# KiCad board BMS-Master.kicad_pcb (continued)
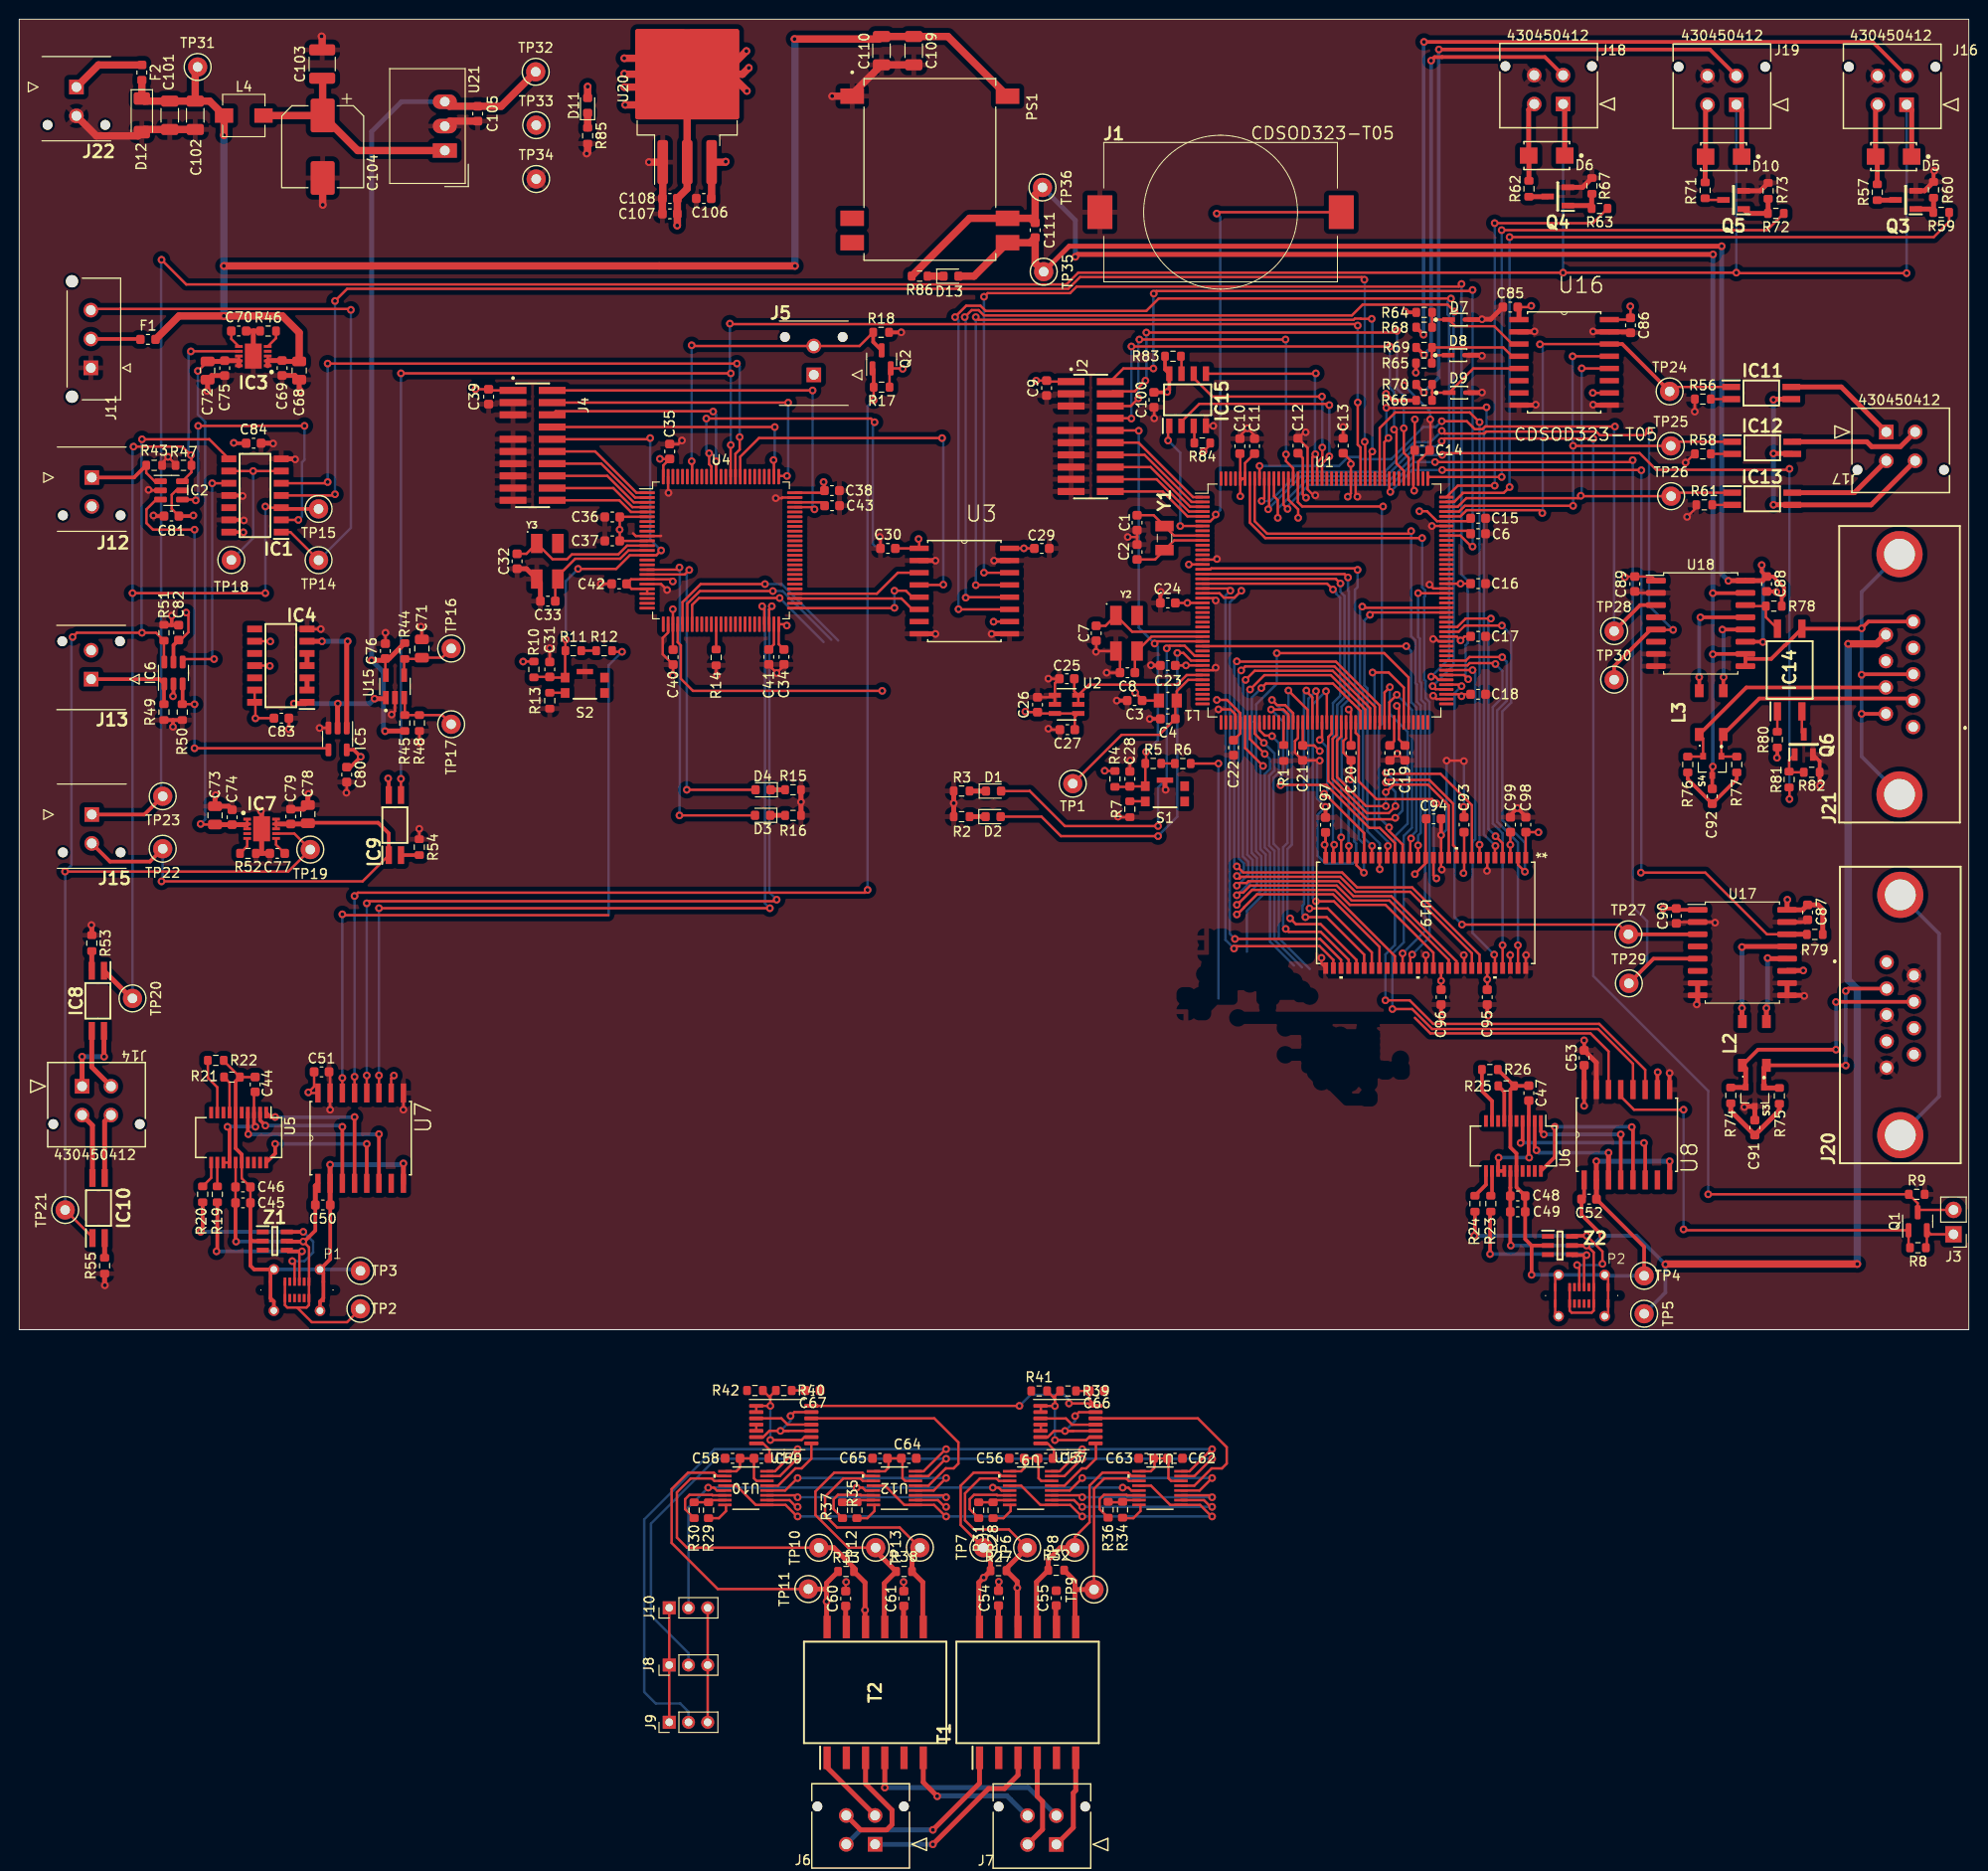
[diagram p0: board, top side]
## Nets (continued)
/MCU0_Memory/MCU0_RAM.SDCKE1: U1.84 U19.37
/MCU0_Memory/MCU0_RAM.SDCLK: U1.112 U19.38
/MCU0_Memory/MCU0_RAM.SDNCAS: U1.160 U19.17
/MCU0_Memory/MCU0_RAM.SDNE1: U1.83 U19.19
/MCU0_Memory/MCU0_RAM.SDNRAS: U1.59 U19.18
/MCU0_Memory/MCU0_RAM.SDNWE: U1.32 U19.16
/MCU0_primary/FTDI_MCU0.DTR: Q1.1 R8.2 U8.13
/MCU0_primary/FTDI_MCU0.RTS: R6.2 U8.14
/MCU0_primary/FTDI_MCU0.RX: U1.80 U8.12
/MCU0_primary/FTDI_MCU0.TX: U1.79 U8.11
/MCU0_primary/isoSPI0.CS: U1.50 U13.4 U13.5
/MCU0_primary/isoSPI0.DIR: R41.1 U1.162
/MCU0_primary/isoSPI0.MISO: U1.52 U9.3 U11.3
/MCU0_primary/isoSPI0.MOSI: U1.53 U9.2 U11.2
/MCU0_primary/isoSPI0.SCK: U1.51 U9.4 U11.4
/MCU0_primary/MCU0_ADC_REF/VREF+_MCU0: C25.1 U1.38 U2.5 U2.6
/MCU0_primary/MCU0_BOOT: J3.2 Q1.3 R9.1 U1.166
/MCU0_primary/MCU0_NRST: C28.1 J2.10 R4.2 R5.1 S1.1 U1.31
/MCU0_primary/MCU0_SWCLK: J2.04 U1.137
/MCU0_primary/MCU0_SWDIO: J2.02 U1.124
/MCU0_primary/MCU0_SWO: J2.06 U1.161
/MCU0_primary/MCU0_TDI: J2.08 U1.138
/MCU0_primary/MCU0_TRACECLK: J2.12 U1.1
/MCU0_primary/MCU0_TRACED0: J2.14 U1.2
/MCU0_primary/MCU0_TRACED1: J2.16 U1.3
/MCU0_primary/MCU0_TRACED2: J2.18 U1.4
/MCU0_primary/MCU0_TRACED3: J2.20 U1.5
/MCU0_primary/MCU_to_MCU_INTERFACE_MCU0.CS: U1.92 U3.12
/MCU0_primary/MCU_to_MCU_INTERFACE_MCU0.MISO: U1.94 U3.11
/MCU0_primary/MCU_to_MCU_INTERFACE_MCU0.MOSI: U1.95 U3.14
/MCU0_primary/MCU_to_MCU_INTERFACE_MCU0.SCK: U1.145 U3.13
/MCU0_primary/SHUTDOWN_ctrl_MCU0: IC1.4 U1.146
/MCU0_primary/SHUTDOWN_feedback_MCU0: IC9.3 U1.147 U4.86
/MCU1_secondary/FTDI_MCU1.DTR: Q2.1 R17.2 U7.13
/MCU1_secondary/FTDI_MCU1.RTS: R12.2 U7.14
/MCU1_secondary/FTDI_MCU1.RX: U4.48 U7.12
/MCU1_secondary/FTDI_MCU1.TX: U4.47 U7.11
/MCU1_secondary/isoSPI1.CS: U4.29 U14.4 U14.5
/MCU1_secondary/isoSPI1.DIR: R42.1 U4.90
/MCU1_secondary/isoSPI1.MISO: U4.31 U10.3 U12.3
/MCU1_secondary/isoSPI1.MOSI: U4.32 U10.2 U12.2
/MCU1_secondary/isoSPI1.SCK: U4.30 U10.4 U12.4
/MCU1_secondary/MCU1_BOOT: J5.2 Q2.3 R18.1 U4.94
/MCU1_secondary/MCU1_NRST: C31.1 J4.10 R10.2 R11.1 S2.1 U4.14
/MCU1_secondary/MCU1_SWCLK: J4.04 U4.76
/MCU1_secondary/MCU1_SWDIO: J4.02 U4.72
/MCU1_secondary/MCU1_SWO: J4.06 U4.89
/MCU1_secondary/MCU1_TDI: J4.08 U4.77
/MCU1_secondary/MCU1_TRACECLK: J4.12 U4.1
/MCU1_secondary/MCU1_TRACED0: J4.14 U4.2
/MCU1_secondary/MCU1_TRACED1: J4.16 U4.3
/MCU1_secondary/MCU1_TRACED2: J4.18 U4.4
/MCU1_secondary/MCU1_TRACED3: J4.20 U4.5
/MCU1_secondary/MCU_to_MCU_INTERFACE_MCU1.CS: U3.5 U4.51
/MCU1_secondary/MCU_to_MCU_INTERFACE_MCU1.MISO: U3.6 U4.53
/MCU1_secondary/MCU_to_MCU_INTERFACE_MCU1.MOSI: U3.3 U4.54
/MCU1_secondary/MCU_to_MCU_INTERFACE_MCU1.SCK: U3.4 U4.84
/MCU1_secondary/SHUTDOWN_ctrl_MCU0: IC1.5 U4.85
/Shutdown/AMS_SHTDW: IC1.3 IC2.6 IC3.7 IC8.1 R47.2 TP15.1 TP20.1
/Shutdown/Bender_OK_EXT: IC1.1 J11.3 TP14.1
/Shutdown/IMD_SHTDW: IC1.8 IC6.6 IC7.7 IC10.1 R51.2 TP19.1 TP21.1
/USB_interface/D0+: P2.A6 R24.1 Z2.6
/USB_interface/D0-: P2.A7 R23.1 Z2.4
/USB_interface/D1+: P1.A6 R20.1 Z1.6
/USB_interface/D1-: P1.A7 R19.1 Z1.4
/USB_interface/USB_MCU0.DTR: U6.1 U8.4
/USB_interface/USB_MCU0.RTS: U6.2 U8.3
/USB_interface/USB_MCU0.RX: U6.4 U8.6
/USB_interface/USB_MCU0.TX: U6.20 U8.5
/USB_interface/USB_MCU1.DTR: U5.1 U7.4
/USB_interface/USB_MCU1.RTS: U5.2 U7.3
/USB_interface/USB_MCU1.RX: U5.4 U7.6
/USB_interface/USB_MCU1.TX: U5.20 U7.5
SUPPLY: C68.1 C69.1 C101.1 C102.1 C109.1 C110.1 D12.1 F1.2 F2.2 IC3.1 IC3.2 IC3.3 L4.1 PS1.14 TP31.1
USB0_GND: C47.2 C48.2 C49.2 C52.1 P2.A1 P2.A12 P2.B1 P2.B12 P2.S1 R25.2 R26.2 TP4.1 U6.6 U6.16 U8.2 U8.8 Z2.2
USB1_GND: C44.2 C45.2 C46.2 C50.1 P1.A1 P1.A12 P1.B1 P1.B12 P1.S1 R21.2 R22.2 TP3.1 U5.6 U5.16 U7.2 U7.8 Z1.2
USB1_VCC: C45.1 C46.1 C50.2 P1.A4 P1.A9 P1.B4 P1.B9 TP2.1 U5.15 U7.1 Z1.5
USB_VCC: C48.1 C49.1 C52.2 J21.9 P2.A4 P2.A9 P2.B4 P2.B9 TP5.1 U6.15 U8.1 Z2.5
Net-(C71-Pad1): C71.1 R44.2 TP16.1 U15.4
Net-(C91-Pad1): C91.1 R74.2 R75.2
Net-(C92-Pad1): C92.1 R76.2 R77.2
Net-(D1-A): D1.2 U1.34
Net-(D1-K): D1.1 R3.1
Net-(D2-A): D2.2 U1.35
Net-(D2-K): D2.1 R2.1
Net-(D3-A): D3.2 U4.17
Net-(D3-K): D3.1 R16.1
Net-(D4-A): D4.2 U4.18
Net-(D4-K): D4.1 R15.1
Net-(D11-K): D11.1 R85.1
Net-(D13-K): D13.1 R86.1
Net-(F1-Pad1): F1.1 J11.2
Net-(F2-Pad1): F2.1 J22.1
Net-(IC1-Pad2): IC1.2 IC2.4
Net-(IC1-Pad6): IC1.6 IC1.9 TP18.1
Net-(IC1-Pad10): IC1.10 IC6.4
Net-(IC2-Pad1): IC2.1 J12.1 R43.2
Net-(IC2-Pad3): IC2.3 IC5.4 IC6.3 R50.2
Net-(IC3-ILIM): IC3.5 R46.1
Net-(IC3-OUT_1): C72.1 C73.1 C74.1 C75.1 IC3.8 IC3.9 IC3.10 IC7.1 IC7.2 IC7.3
Net-(IC3-SS): C70.1 IC3.6
Net-(IC4-Pad1): IC4.1 IC5.2 U15.1
Net-(IC4-Pad2): IC4.2 IC4.3
Net-(IC4-Pad4): IC4.4 IC4.5
Net-(IC4-Pad6): IC4.6 IC5.1
Net-(IC6-Pad1): IC6.1 J13.1 R49.2
Net-(IC7-ILIM): IC7.5 R52.1
Net-(IC7-OUT_1): C78.1 C79.1 IC7.8 IC7.9 IC7.10 IC9.1 J15.2 TP22.1
Net-(IC7-SS): C77.1 IC7.6
Net-(IC8-C): IC8.4 J14.1
Net-(IC8-E): IC8.3 J14.2
Net-(IC8-K): IC8.2 R53.2
Net-(IC9-K): IC9.2 R54.2
Net-(IC10-C): IC10.4 J14.3
Net-(IC10-E): IC10.3 J14.4
Net-(IC10-K): IC10.2 R55.2
Net-(IC11-C): IC11.4 J17.1
Net-(IC11-E): IC11.3 IC12.3 IC13.3 J17.4
Net-(IC11-K): IC11.2 R56.2
Net-(IC12-C): IC12.4 J17.2
Net-(IC12-K): IC12.2 R58.2
Net-(IC13-C): IC13.4 J17.3
Net-(IC13-K): IC13.2 R61.2
Net-(IC14-A): IC14.1 R80.2
Net-(IC14-D2): IC14.4 R78.2 U18.14
Net-(IC14-K): IC14.2 Q6.3
Net-(IC15-~{HOLD}): IC15.7 R83.2
Net-(IC15-~{W}): IC15.3 R84.2
Net-(J1-+): J1.1 U1.6
Net-(Q3-D): Q3.3 R57.2
Net-(Q3-G): Q3.1 R59.2 R60.1
Net-(Q4-D): Q4.3 R62.2
Net-(Q4-G): Q4.1 R63.2 R67.1
Net-(Q5-D): Q5.3 R71.2
Net-(Q5-G): Q5.1 R72.2 R73.1
Net-(Q6-G): Q6.1 R81.1 R82.1
Net-(R5-Pad2): R5.2 R6.1
Net-(R7-Pad1): R7.1 S1.2
Net-(R11-Pad2): R11.2 R12.1
Net-(R13-Pad1): R13.1 S2.2
Net-(R39-Pad2): R39.2 R41.2 U13.1 U13.2 U13.9
Net-(R40-Pad2): R40.2 R42.2 U14.1 U14.2 U14.9
Net-(R45-Pad2): R45.2 R48.1 TP17.1 U15.3
Net-(T1-PRI_1): J6.2 T1.1
Net-(T1-PRI_3): J6.1 T1.3
Net-(T1-PRI_4): J7.2 T1.4
Net-(T1-PRI_6): J7.1 T1.6
Net-(T1-SEC_2): C55.2 T1.8
Net-(T1-SEC_5): C54.2 T1.11
Net-(T2-PRI_1): J6.3 T2.1
Net-(T2-PRI_3): J6.4 T2.3
Net-(T2-PRI_4): J7.3 T2.4
Net-(T2-PRI_6): J7.4 T2.6
Net-(T2-SEC_2): C61.2 T2.8
Net-(T2-SEC_5): C60.2 T2.11
Net-(U1-PB2): R1.2 U1.58
Net-(U1-PC14): C1.1 U1.9 Y1.1
Net-(U1-PC15): C2.1 U1.10 Y1.2
Net-(U1-PH0): C7.1 U1.29 Y2.1
Net-(U1-PH1): C8.1 U1.30 Y2.3
Net-(U1-VCAP_1): C5.1 U1.81
Net-(U1-VCAP_2): C6.1 U1.125
Net-(U1-VDDA): C4.1 L1.1 TP1.1 U1.39
Net-(U4-PB2): R14.1 U4.37
Net-(U4-PH0): C32.1 U4.12 Y3.1
Net-(U4-PH1): C33.1 U4.13 Y3.3
Net-(U4-VCAP_1): C41.1 U4.49
Net-(U4-VCAP_2): C43.1 U4.73
Net-(U5-3V3OUT): C44.1 U5.3 U5.13 U5.14
Net-(U5-USBDM): R19.2 U5.12
Net-(U5-USBDP): R20.2 U5.11
Net-(U5-~{CTS}): R22.1 U5.9
Net-(U5-~{DSR}): R21.1 U5.7
Net-(U6-3V3OUT): C47.1 U6.3 U6.13 U6.14
Net-(U6-USBDM): R23.2 U6.12
Net-(U6-USBDP): R24.2 U6.11
Net-(U6-~{CTS}): R26.1 U6.9
Net-(U6-~{DSR}): R25.1 U6.7
Net-(U9-IBIAS): R28.1 U9.16
Net-(U9-ICMP): R28.2 R31.2 U9.15
Net-(U9-VDD): C56.1 C57.1 U9.6 U9.9
Net-(U10-IBIAS): R29.1 U10.16
Net-(U10-ICMP): R29.2 R30.2 U10.15
Net-(U10-VDD): C58.1 C59.1 U10.6 U10.9
Net-(U11-IBIAS): R34.1 U11.16
Net-(U11-ICMP): R34.2 R36.2 U11.15
Net-(U11-VDD): C62.1 C63.1 U11.6 U11.9
Net-(U12-IBIAS): R35.1 U12.16
Net-(U12-ICMP): R35.2 R37.2 U12.15
Net-(U12-VDD): C64.1 C65.1 U12.6 U12.9
Net-(U13-Pad10): U13.6 U13.10 U13.13
Net-(U13-Pad11): U13.3 U13.11
Net-(U14-Pad10): U14.6 U14.10 U14.13
Net-(U14-Pad11): U14.3 U14.11
Net-(U16-VIA): D7.1 R64.2 R68.2 U16.3
Net-(U16-VIB): D8.1 R65.2 R69.2 U16.4
Net-(U16-VIC): D9.1 R66.2 R70.2 U16.5
Net-(U17-CANH): L2.4 U17.13
Net-(U17-CANL): L2.3 U17.12
Net-(U18-CANH): L3.4 U18.13
Net-(U18-CANL): L3.3 U18.12
Net-(U21-Vin): C103.1 C104.1 L4.2 U21.1

Pads without a net: IC1 12; IC3 4; IC4 8 10 12; IC7 4; J20 0 1 4 8; J21 1 4 8; P1 A5 A8 B5 B6 B7 B8; P2 A5 A8 B5 B6 B7 B8; PS1 6 7; S1 3 4; S2 3 4; T1 2 5; T2 2 5; U1 8 11 12 13 24 25 26 27 28 33 40 41 42 43 44 45 46 47 54 55 56 57 85 86 87 88 89 99 100 101 106 107 110 111 115 116 117 118 119 120 121 122 123 134 139 140 144 150 151 152 153 154 164 173 174 175 176; U3 7; U4 7 8 9 15 16 23 24 25 26 33 34 35 36 38 39 40 41 42 43 44 45 46 52 55 56 57 58 59 60 61 62 63 64 65 66 67 68 69 70 71 78 79 80 81 82 83 87 88 91 92 93 95 96 97 98; U5 5 8 10 17 18 19; U6 5 8 10 17 18 19; U7 7; U8 7; U16 6 7 11; U17 4 6; U18 4 6; U19 36 40; Y2 4; Y3 4; Z1 1 3; Z2 1 3

## Via types
v1: diameter 0.8, hole 0.4, Top to Bottom, 595 vias

## Routing (per net, layer and track width the routed paths; a pad name or vN(x,y) marks a point on that pad's centre or on a via; arc(x,y) is an arc through that point)
+3.3V: length 403.8
  Top w0.25: U1.136 144.95,87.33 v1(145.03,87.25) ; C17.1 150.28,72.1 v1(149.86,71.68) ; v1(138.45,90.03) 138.45,90.35 C13.1 ; 149.91,84.08 150.6,84.08 C15.1 ; U3.1 93.57,82.16 v1(93.5,82.23) ; U3.16 v1(104.46,81.26) ; v1(149.95,65.88) 150.16,66.08 C18.1 ; IC4.13 IC4.14 24.56,65.17 v1(24.56,63.58) 24.58,63.6 C83.1 ; v1(17.36,74.58) 17.59,74.34 17.59,74.31 ; IC4.9 26.08,71.6 v1(26.11,71.58) ; v1(149.86,77.58) 149.86,77.58 C16.1 ; U7.16 30.12,24.61 v1(30.06,24.68) 30.66,25.28 C51.2 ; v1(26.06,69.03) 26.02,69.06 IC4.11 ; v1(38.96,26.43) 38.67,26.14 U7.10 ; U1.72 138.45,64.27 v1(138.22,64.49) ; v1(143.23,64.88) 143.45,64.65 U1.82
  Top w0.254: v1(150.16,47.48) 150.23,47.55 U19.9 150.23,51.73 C93.1 ; v1(138.45,90.03) U1.149 138.45,86.95 v1(138.13,86.63) ; C12.1 133.45,90.66 U1.159 133.45,86.86 v1(133.79,86.52) ; U1.172 126.95,91.07 C10.1 ; U1.172 127.19,88.51 126.95,88.27 126.95,86.68 v1(126.96,86.68) ; U1.172 U1.171 127.45,90.12 C11.1 ; v1(110.52,-19.43) 110.47,-19.43 109.27,-18.23 106.17,-18.23 104.17,-16.23 102.96,-16.23 ; C24.1 121.45,75.58 v1(121.46,75.58) U1.23 ; v1(135.21,60.18) 134.63,60.76 C21.1 133.45,60.77 U1.62 ; U1.15 121.61,79.58 v1(121.61,79.58) ; v1(163.61,97.43) 163.61,97.42 U16.10 ; R17.1 90.49,99.85 Q2.2 91.81,99.97 v1(91.86,99.93) ; v1(123.13,91.33) 123.83,92.02 R84.1 ; v1(47.44,97.8) C39.1 48.92,97.68 J4.01 ; U19.43 147.83,37.6 v1(147.83,36.28) C96.1 ; v1(104.46,81.26) 105.53,81.26 C29.2 ; L1.2 C3.1 116.75,65.52 v1(116.02,66.24) ; v1(66.61,90.56) 66.63,90.55 C35.1 66.96,89.88 U4.100 ; IC2.5 16.31,87.28 15.86,86.83 15.86,85.36 C81.1 ; v1(80.93,-19.43) 80.88,-19.43 79.68,-18.23 U10.1 76.58,-18.23 74.58,-16.23 U10.12 ; 149.91,84.08 U1.127 147.4,84.08 146.37,85.11 v1(145.57,85.11) ; v1(96.37,-19.43) 96.32,-19.43 95.12,-18.23 92.02,-18.23 90.02,-16.23 88.81,-16.23 ; U19.1 156.63,51.73 C98.1 157.94,51.74 v1(157.96,51.73) ; C22.1 126.95,62 U1.49 126.95,64.12 125.58,65.49 v1(124.51,65.49) ; U1.91 149.75,66.08 v1(149.95,65.88) ; v1(79.81,73.23) 79.67,73.36 U4.50 78.96,71.28 C34.1 ; C82.1 16.78,71.72 17.59,72.53 17.59,74.31 ; v1(109.14,-7.68) 111.66,-7.68 U13.14 111.27,-7.29 C66.1 R39.1 ; v1(145.11,94.66) 145.09,94.65 C14.1 144.95,91.32 U1.136 ; 146.25,53.1 146.23,53.07 U19.14 146.23,48.5 v1(145.11,47.38) ; R4.1 112.88,58.1 v1(112.86,58.13) ; v1(103.99,-7.93) 104.04,-7.93 U14.14 ; C40.1 67.96,70.74 U4.28 67.96,74.92 v1(67.96,74.93) ; C30.2 93.56,81.25 U3.1 ; C23.1 121.3,69.08 v1(121.31,69.08) U1.36 ; U19.27 135.83,51.7 C97.1 135.82,50.52 v1(135.72,50.43) ; U19.3 v1(155.03,50.43) 155.03,51.73 C99.1 ; v1(67.96,77.81) 67.73,78.04 63.62,78.04 63.14,77.56 63.67,77.04 65.29,77.04 65.29,76.54 ; U19.49 v1(152.63,36.43) ; v1(152.63,36.43) C95.1 v1(152.63,36.43) ; 65.29,84.54 62.46,84.54 C36.1 62.44,83.21 v1(62.42,83.2) 62.44,83.19 C37.1 65.28,82.03 65.29,82.04 ; v1(149.86,71.68) 149.45,72.08 U1.103 ; v1(166.94,78.25) 167.02,78.32 C89.2 169.75,78.32 U18.1 ; v1(101.31,73.63) 101.32,73.64 U3.10 ; R10.1 52.4,69.49 v1(52.39,69.48) ; v1(83.63,88.15) 83.72,88.06 C38.1 83.5,87.04 U4.75 ; v1(105.73,98.69) 105.74,98.7 C9.1 106.92,98.6 109.37,98.6 ; 67.58,-40.93 J10.1 ; C20.1 138.45,60.78 U1.72 ; U16.16 167.35,105.04 C86.2 167.53,106.4 v1(167.5,106.43) ; R40.1 C67.1 ; v1(124.02,-19.43) 123.97,-19.43 122.77,-18.23 119.67,-18.23 117.67,-16.23 116.46,-16.23 ; C19.1 143.45,61.38 U1.82 ; C27.1 109.75,63.71 U2.4 U2.3 106.01,64.08 C26.1 104.66,64.22 v1(104.61,64.28) ; J3.1 198.76,9.91 Q1.2 198.34,8.62 R8.1 ; U1.114 v1(149.86,77.58)
  Top w0.381: C81.1 18.04,84.61 v1(18.11,84.68) ; IC6.5 16.04,71.18 C82.1 ; v1(170.91,43.78) 170.93,43.8 C90.2 172.43,43.66 U17.1 ; v1(22.31,92.23) 22.34,92.19 C84.1 ; v1(162.71,23.28) 162.7,23.28 U8.16 ; IC9.4 38.42,57.26 v1(38.36,57.33) ; IC1.14 23.29,82.94 v1(23.31,82.93) ; C100.1 119.31,97.48 v1(119.36,97.53) 119.57,97.74 IC15.8 119.13,99.86 R83.1 ; U8.10 170.32,26.74 v1(170.36,26.78) ; IC5.5 34.78,60.3 v1(35.51,59.58) 34.43,58.5 C80.1
  Top w0.508: C53.2 162.7,27.49 U8.16
  Top w0.762: v1(63,127.38) 65.91,127.38 U20.2 65.59,129.23 v1(62.91,129.23) ; v1(75.66,128.83) 73.91,130.57 U20.2 ; v1(59.11,129.28) 59.1,129.27 D11.2 ; U20.2 62.96,130.57 v1(62.91,130.63) ; U20.2 73.2,130.57 v1(75.61,132.98) ; U20.2 75.2,130.57 v1(75.86,131.23) ; U20.2 67.79,132.23 v1(62.91,132.23) ; U20.2 U20.2 69.45,118.67 68.42,117.64 68.42,114.84 v1(68.41,114.83)
  Bottom w0.254: v1(124.02,-19.43) v1(80.93,-19.43) ; v1(103.99,-7.93) 105.14,-6.78 108.64,-6.78 109.14,-7.28 v1(109.14,-7.68)
+5V: length 115.2
  Top w0.254: v1(157.21,106.48) 157.08,106.35 C85.2 ; U15.5 38.07,68.11 C76.1
  Top w0.381: v1(145.21,99.53) 145.22,99.54 R65.1 ; v1(182.75,59.48) 182.79,59.51 R80.1 ; R66.1 142.78,96.65 v1(142.11,97.33) ; R64.1 144.18,105.8 v1(144.11,105.87)
  Top w0.508: U16.1 155.93,106.22 C85.2 ; v1(38.04,62.24) 38.06,62.26 R45.1 ; v1(183.83,44.72) 183.81,44.69 U17.16 185.42,43.66 C87.2 187.04,44.18 187.51,43.71 R79.2 ; v1(185.49,37.35) 183.85,37.35 U17.11 ; R44.1 38.48,69.8 C76.1 37.88,69.61 v1(36.64,69.61)
  Top w0.762: TP32.1 50.11,127.23 C105.1 44.72,127.23 U21.3 ; v1(73.46,121.48) 73.4,121.42 U20.3 71.99,117.68 C106.1
  Bottom w0.508: v1(38.04,62.24) 37.86,62.42 37.86,68.39 v1(36.64,69.61) 36.64,124.6 39.75,127.71 U21.3
+5V_ISO: length 140
  Top w0.381: v1(181.29,71.51) 181.26,71.54 U18.11 ; R78.1 183.25,76.16 183.48,76.39 183.48,77.2 182.36,78.32 C88.2 181.17,78.83 v1(181.17,79.51)
  Top w0.508: v1(177,112.68) 109.16,112.68 TP35.1 ; v1(177.7,77.88) 177.72,77.89 U18.16 181.25,77.89 C88.2
  Top w0.762: TP35.1 105.63,110.92 C111.1 105.1,113.04 PS1.8 99.28,109.56 D13.2
  Bottom w0.381: v1(181.17,79.51) 181.29,79.39 v1(181.29,71.51)
  Bottom w0.508: v1(177.7,77.88) 177,78.58 v1(177,112.68)
GND: length 385.8
  Top w0.25: v1(85.97,-26.24) 85.93,-26.29 C60.1 ; C61.1 91.97,-26.27 v1(91.94,-26.24)
  Top w0.254: U4.27 67.46,72.5 66.91,71.94 66.91,70.24 C40.2 67.98,68.07 v1(67.96,68.04) ; C31.2 55.16,70.87 v1(55.16,70.88) ; v1(155.02,38.95) 155.03,38.94 U19.52 ; 113.26,-19.61 112.32,-18.67 112.32,-17.63 112.77,-17.18 115.12,-17.18 115.17,-17.23 116.57,-17.23 ; 134.61,86.73 133.95,87.38 U1.158 133.95,91.7 C12.2 133.58,93.33 v1(133.75,93.33) ; 134.61,86.73 134.61,86.68 ; 134.61,86.73 134.72,86.73 v1(134.75,86.77) ; v1(138.41,57.23) 138.47,57.29 C20.2 137.67,60.01 137.67,61.21 137.95,61.49 U1.71 ; v1(137.66,93.88) C13.2 ; 85.33,-19.61 85.71,-19.61 ; U4.74 79.35,86.54 79.29,86.48 v1(78.66,86.48) ; 106.22,-11.84 106.93,-11.84 107.58,-12.49 107.58,-13.34 107.53,-13.39 ; C5.2 142.59,59.21 v1(143.28,59.9) 143.98,59.21 C19.2 ; v1(146.71,94.66) 146.72,94.64 146.72,91.64 146.6,91.52 ; 66.61,82.54 64.1,82.54 63.82,82.82 ; U19.28 135.39,38.04 v1(135.39,38.66) ; C76.2 38.07,72.46 v1(38.08,72.48) ; v1(147,65.93) 147.35,65.58 U1.90 ; U18.2 168.12,76.62 C89.1 ; v1(150.21,59.13) 150.16,59.18 v1(148.41,59.18) ; v1(124.4,68.85) 124.13,68.58 U1.37 ; IC4.7 31.34,72.87 v1(31.35,72.86) ; C41.2 77.94,69.11 v1(78.75,68.29) 79.51,69.05 C34.2 ; IC5.3 31.23,62.57 v1(31.22,62.57) ; R56.1 174.22,95.49 v1(174.21,95.48) ; U19.46 150.23,38.92 v1(150.19,38.95) ; U1.113 147.02,77.08 v1(146.62,77.48) ; C42.2 v1(60.46,77.56) ; v1(173.41,84.53) 174.37,85.49 R61.1 ; v1(113.06,68.33) 113.06,68.32 C8.2 114.45,70.15 Y2.2 112.03,70.57 v1(111.95,70.5) 111.97,70.52 C7.2 ; C27.2 107.1,62.4 v1(107,62.5) ; U2.1 107.68,67.23 C25.2 107.01,67.7 v1(107,67.7) ; U2.1 U2.2 ; U2.1 107.46,65.77 C26.2 ; U1.48 126.45,63.98 125.92,64.51 v1(124.69,64.51) ; v1(139.13,86.63) 138.95,86.81 U1.148 ; C83.2 28.03,62.46 v1(28.05,62.44) ; R43.1 14.85,90.14 v1(15.48,90.76) 16.25,89.99 R47.1 ; 66.72,82.54 66.74,82.56 ; C71.2 41.86,73.02 v1(41.77,73.11) ; U1.135 145.45,90.27 C14.2 ; v1(114.24,53.35) 114.29,53.3 R7.2 ; U4.99 67.46,87.07 v1(67.5,87.03) ; U1.126 146.88,83.58 v1(146.88,83.58) ; C30.1 89.54,82.37 v1(89.47,82.44) ; 71.58,-40.93 J10.3 ; v1(147.91,47.84) 147.83,47.92 U19.12 v1(147.83,51.43) ; R58.1 174.16,91.08 v1(173.25,90.18) ; 103.07,-17.23 101.67,-17.23 101.62,-17.18 99.27,-17.18 98.82,-17.63 98.82,-18.67 99.76,-19.61 ; R48.2 41.61,61.08 v1(41.64,61.05) ; v1(146.26,38.95) 146.23,38.93 U19.41 ; 88.92,-17.23 87.52,-17.23 87.47,-17.18 85.12,-17.18 84.67,-17.63 84.67,-18.67 85.61,-19.61 ; C35.2 68.53,92.1 v1(68.91,92.48) ; R30.1 69.23,-18.67 69.23,-17.63 69.68,-17.18 72.03,-17.18 72.08,-17.23 73.48,-17.23 ; v1(156.67,38.95) 156.63,38.91 U19.54 ; C100.2 118,95.9 v1(118,94.78) ; R54.1 v1(41.59,52.08) ; U7.9 v1(39.94,22.87) ; 99.48,-19.61 99.86,-19.61 ; 69.89,-19.61 70.27,-19.61 ; 116.22,82.44 C1.2 ; 116.22,82.44 v1(115.25,82.44) ; 116.22,82.44 C2.2 ; v1(124.53,80.15) 124.46,80.08 U1.14 ; v1(147,71.83) 147.02,71.84 147.3,71.84 147.56,71.58 U1.102 ; v1(115.51,59.19) 115.47,59.16 C28.2 ; U19.6 152.63,47.74 v1(152.61,47.72) ; C51.1 32.32,26.7 U7.15 v1(32.32,22.87) ; v1(38.72,63.97) 39.07,64.32 U15.2 ; v1(176.32,42.33) 176.26,42.39 U17.2 172.43,42.39 172.29,42.25 ; 112.98,-19.61 113.36,-19.61 ; v1(67.36,76.93) 66.74,77.54 65.29,77.54 ; U1.61 132.95,61.52 132.64,61.21 132.64,60.01 C21.2 135.18,59.21 v1(135.21,59.18) ; U1.22 124.15,76.08 v1(124.4,75.83) ; R14.2 72.46,68.1 v1(72.53,68.04) ; C59.2 77.99,-13.33 77.99,-12.48 77.34,-11.83 U14.7 ; C11.2 128.44,93 v1(127.7,93.74) 126.91,92.95 C10.2 ; IC2.2 13.5,87.28 v1(13.44,87.34) ; v1(34.02,55.84) 34.05,55.87 C80.2 ; IC15.4 v1(124.14,93.99)
  Top w0.381: v1(23.35,84.16) 23.3,84.21 IC1.13 ; C24.2 118.65,76.68 v1(118.68,76.72) ; 199.03,119.37 199.03,120.45 v1(199.11,120.53) ; C82.2 15.86,73.27 ; 15.86,73.27 v1(15.86,74.25) ; 15.86,73.27 15.08,73.27 R51.1 ; v1(152.72,32.65) 152.63,32.74 C95.2 ; C97.2 135.82,54.36 v1(135.83,54.37) ; 15.98,63.4 R49.1 ; 15.98,63.4 v1(15.98,62.7) ; 15.98,63.4 R50.1 ; C23.2 117.69,69.08 v1(117.67,69.1) ; C3.2 114.12,65.42 v1(114.11,65.42) ; C93.2 150.22,54.33 v1(150.18,54.37) ; C99.2 155.04,53.52 v1(155.77,54.24) 156.64,53.36 C98.2 ; v1(117.54,63.51) 117.55,63.52 C4.2 ; Q6.2 187.19,59.11 R82.2 187.19,56.6 v1(187.24,56.55) ; IC6.2 16.04,65.92 v1(15.98,65.87) ; U8.9 v1(171.59,26.68) ; C87.1 185.7,42.39 U17.15 ; R18.2 91.7,103.72 v1(91.7,103.72) ; v1(13.95,84.67) 14.01,84.61 C81.2 ; C94.2 v1(147.83,51.43) ; v1(147.89,32.52) 147.83,32.59 C96.2 ; IC1.11 23.17,86.75 v1(23.22,86.7) ; v1(162.7,30.08) 162.71,30.08 C53.1 ; v1(182.69,76.72) 182.64,76.77 C88.1
  Top w0.508: D7.2 152.05,105.05 v1(152.08,105.08) 152.99,105.08 C85.1 ; C75.2 20.01,99.22 C72.2 19.58,97.66 v1(19.54,97.62) ; v1(185.59,34.71) 185.53,34.77 U17.9 U17.10 ; Q4.2 162.54,118.8 R67.2 ; R2.2 v1(97.16,54.75) R3.2 ; 199.03,119.37 198.11,118.44 Q3.2 ; v1(7.5,42.08) 7.55,42.03 R53.1 ; R16.2 v1(81.28,54.88) 81.28,55.99 ; C69.2 28.67,99.24 C68.2 29.11,97.71 v1(29.19,97.62) ; C33.2 54.18,77.69 Y3.2 52.73,79.14 C32.2 ; v1(157.67,96.19) 157.63,96.15 U16.8 ; v1(28.68,90.51) 28.63,90.56 IC1.7 ; v1(152.08,97.46) 152.07,97.45 D9.2 ; v1(25.13,53.94) 25.2,53.86 IC7.11 25.2,49.58 25.26,49.53 ; v1(119.19,56.15) 119.12,56.22 S1.5 ; 28.23,54.13 29.58,54.13 C78.2 30.01,55.64 v1(30.08,55.71) ; v1(26.4,92.16) 26.37,92.19 C84.2 ; v1(101.1,72.35) 101.12,72.37 U3.9 ; Q5.2 181.01,118.44 R73.2 ; IC3.11 24.34,103.83 24.37,103.86 ; U16.9 163.68,96.15 v1(163.64,96.19) ; v1(179.37,23.15) 179.44,23.22 S3.3 C91.2 ; C74.2 21.77,54.44 20.36,54.44 20.36,55.51 v1(20.43,55.59) ; C54.1 101.82,-26.25 v1(101.84,-26.22) ; 24.37,103.86 C70.2 ; 24.37,103.86 R46.2 ; v1(157.55,103.81) 157.5,103.77 U16.2 ; C86.1 167.43,103.77 U16.15 163.68,103.77 v1(163.64,103.81) ; U3.2 95.25,79.99 v1(95.26,79.97) ; C53.1 163.97,27.78 U8.15 ; U3.8 95.25,72.37 v1(95.26,72.35) ; D8.2 152.01,101.35 v1(152.08,101.27) ; R55.1 8.88,4.64 v1(8.9,4.61) ; U3.15 101.37,79.99 v1(101.36,79.97) ; U17.7 U17.8 174.51,33.91 v1(174.41,33.82) ; 25.26,49.53 R52.2 ; 25.26,49.53 C77.2
  Top w0.762: C109.2 C110.2 86.61,128.49 PS1.1 v1(84.52,128.28) ; C102.2 C101.2 13.02,124.82 D12.2 12.36,124.15 8.02,124.15 J22.2 ; v1(65.47,121.42) 65.48,121.42 U20.1 66.91,117.68 C108.2 C107.2 ; U21.2 44.76,125.68 C105.2 ; R85.2 59.1,122.42 v1(58.99,122.31) ; v1(31.43,134.51) 31.5,134.44 C103.2 ; v1(31.56,116.98) 31.55,116.99 C104.2
  Bottom w0.254: v1(135.21,59.18) 134.94,58.9 134.94,55.23 135.8,54.37 v1(135.83,54.37) 134.99,53.53 134.99,49.29 135.81,48.48 138.66,48.48 139,48.83 139,50.57 138.8,50.77 138.8,56.83 v1(138.41,57.23) ; v1(150.21,59.13) 150.21,54.39 v1(150.18,54.37) ; v1(148.41,59.18) 148.41,52 v1(147.83,51.43) ; v1(143.98,98.2) 146.71,95.48 v1(146.71,94.66)
GND_ISO: length 213.4
  Top w0.381: C92.2 S4.3 176.03,58.5 v1(176.09,58.56) ; J21.3 191.61,68.16 v1(191.56,68.11) ; 179.48,69.76 U18.10 176.12,70.27 v1(176.09,70.24) ; 179.48,69.76 U18.9 ; 179.48,69.76 182.16,69.76 183.56,71.16 183.6,71.16 IC14.3 191.52,72.9 v1(191.56,72.94) 192.26,73.64 J21.5 ; v1(191.56,64.04) 194.07,64.04 J21.6 ; U18.15 179.45,76.59 v1(176.09,76.59)
  Top w0.508: v1(176.11,111.82) 110.05,111.82 v1(109.81,111.58)
  Top w0.762: R86.2 98.81,115.58 PS1.9 105.17,115.58 C111.2 105.63,118.03 TP36.1
  Bottom w0.381: J21.0 191.56,76.72 v1(191.56,72.94) v1(191.56,68.11) v1(191.56,64.04) 191.56,59.6 J21.0 ; v1(176.09,76.59) v1(176.09,70.24) v1(176.09,58.56)
  Bottom w0.508: v1(109.81,111.58) 109.81,115.38 TP36.1 ; v1(176.09,76.59) 176.09,111.8 v1(176.11,111.82)